# Altium PCB PCB1.PcbDoc
Units mm, origin at the board's own origin, x right, y up, seen from the top; angles counter-clockwise.
Board outline 60 x 100 mm, 2 copper layers (Top Layer, Bottom Layer); 46 components, 34 nets, 185 pads, 14 vias.
Unrouted connection lines stored in the file: 10.
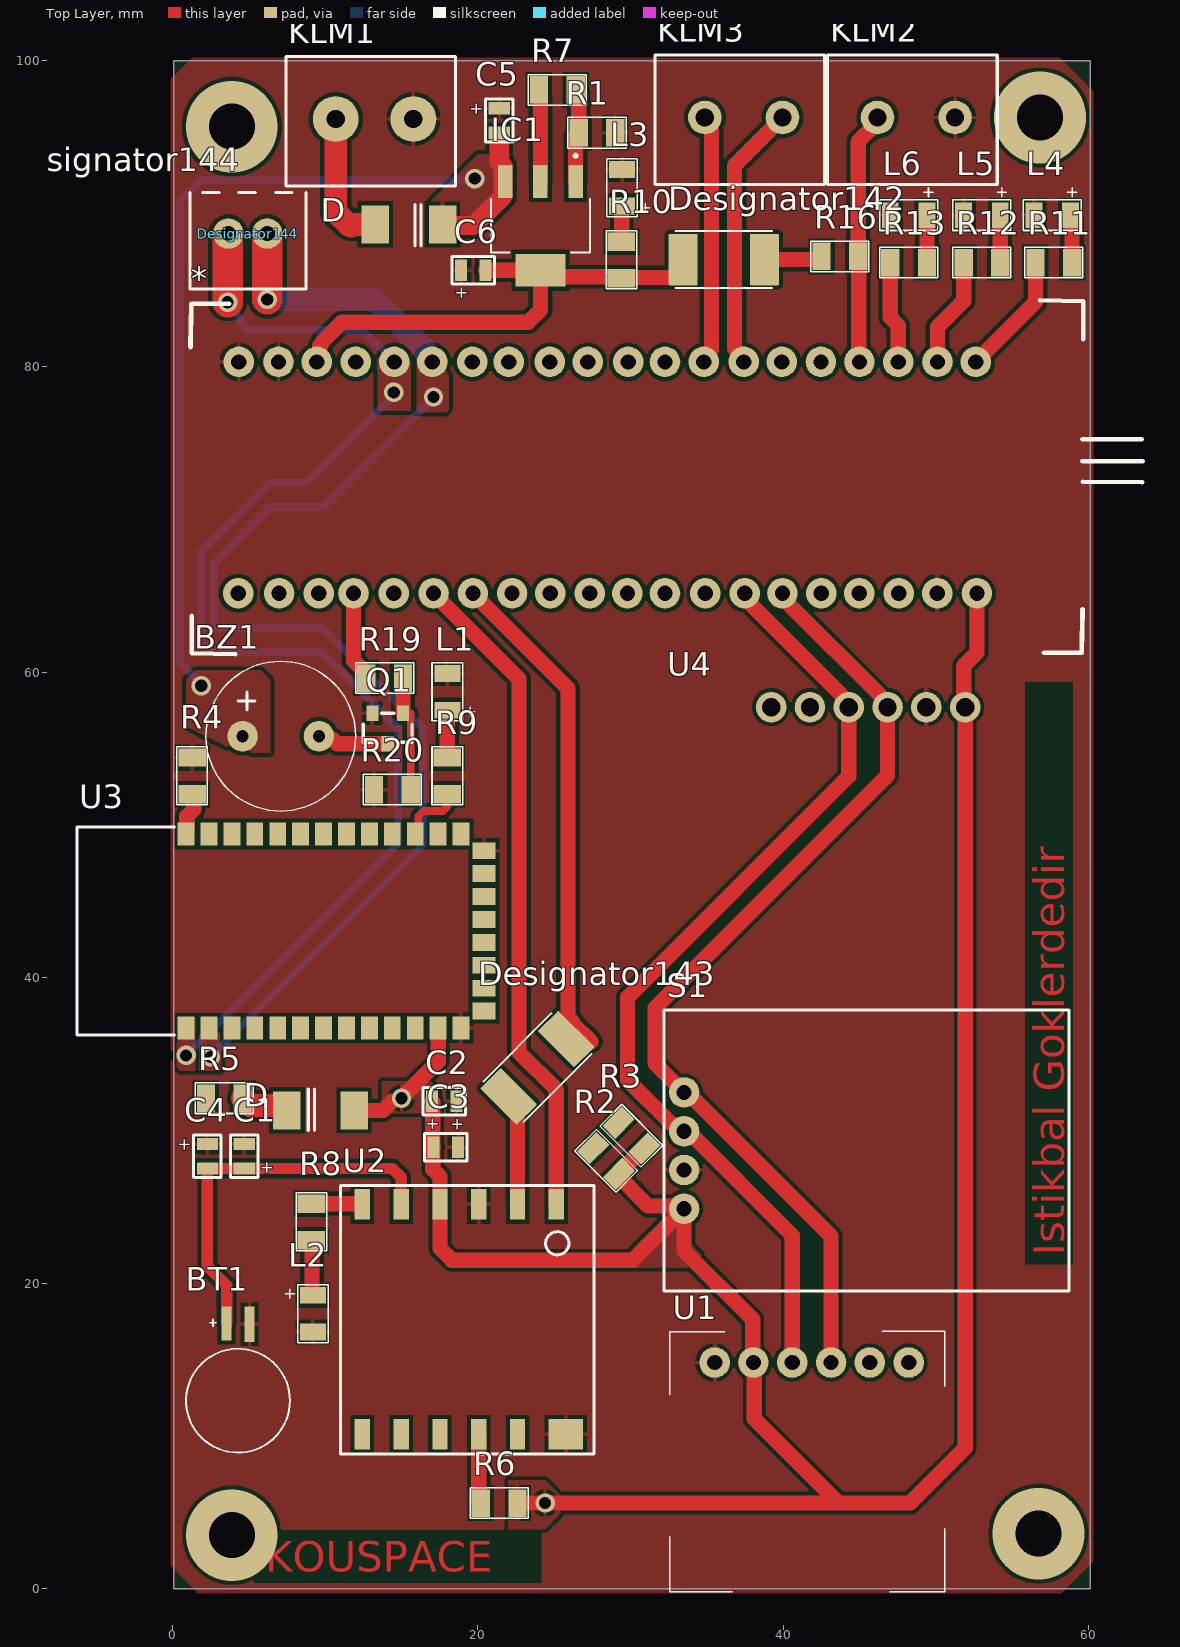
[diagram p0: Top Layer view]
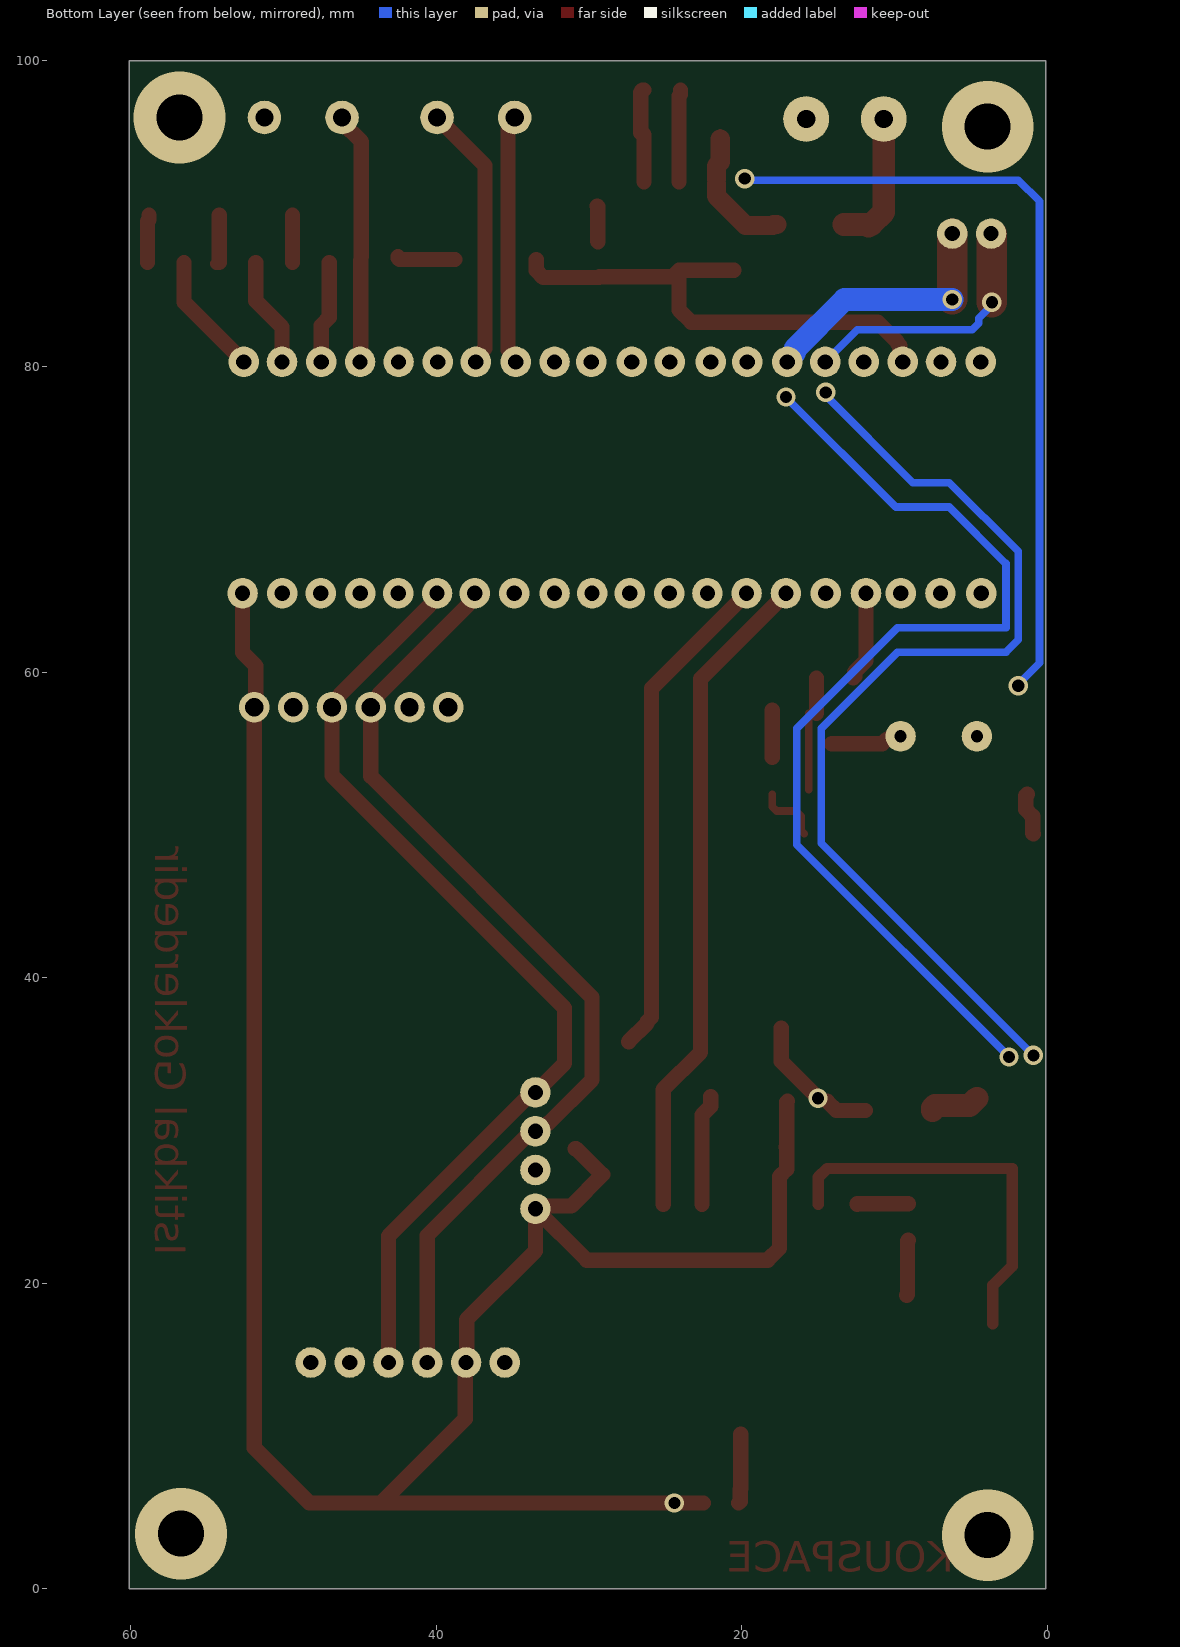
[diagram p1: Bottom Layer view, seen from below]
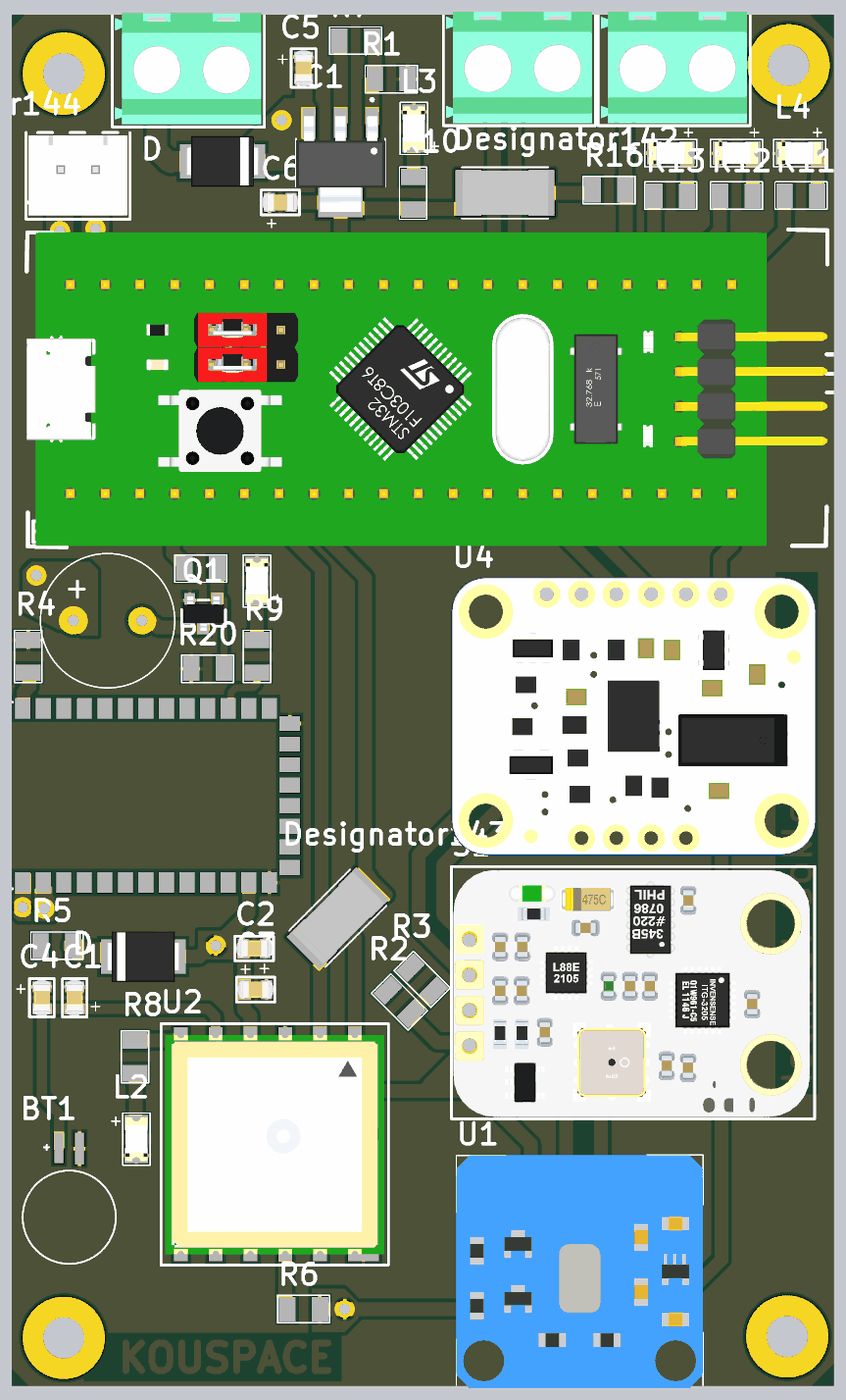
[diagram p2: 3D render of the assembled board from above, using the file's embedded part models]

## Layer stack, top to bottom
Top Solder: solder mask 0.0102, Solder Resist, Dk 3.5
Top Layer: signal copper 0.0356
Dielectric 1: dielectric 0.32, FR-4, Dk 4.8
Bottom Layer: signal copper 0.0356
Bottom Solder: solder mask 0.0102, Solder Resist, Dk 3.5

## Board outline
0.1,0 0.1,100 60.1,100 60.1,0

## Design rules (kind name [scope] priority, off if disabled: settings)
Clearance [All] p1: gap=0.254 ignorepadtopadclearanceinfootprint=FALSE
PolygonConnect [All] p1: connectstyle=Relief reliefconductorwidth=0.254 reliefentries=4 polygonreliefangle="90 Angle" airgapwidth=0.254
RoutingVias [All] p1: holewidth=0.711 width=1.27 viastyle="Through Hole" minholewidth=0.711 minwidth=1.27 maxholewidth=0.711 maxwidth=1.27
SolderMaskExpansion [All] p1: expansion=0.102 istentingtop=FALSE
Width [All] p1: maxlimit=2 minlimit=0.254 preferedwidth=0.254
30 further rules are at their usual default settings.

## Classes and differential pairs
component class Sheet5: * BZ1 KLM2 KLM3 L4 L5 L6 Q1 R11 R12 R13 R16 R19 R20 U4
component class Sheet2: BT1 C1 C2 C4 C5 C6 D D1 IC1 KLM1 L1 L3 R1 R2 R3 R4 R5 R6 R7 R8 R9 R10 S1 S2 U1 U2 U3

## Components (designator, comment, footprint, x,y, rotation, side; value= is the part's Value field where it differs from the comment)
* "BluePill" BLUEPILL 28.49,72.725 r0 top
BT1 "MS621FE-FL11E" BAT_MS621FE-FL11E 4.3,12.3 r90 top
BZ1 "Buzzer" CMI-9605IC 7.1,55.8 r90 top
C1 "CAP 100nF 0805" CAP_805 4.7,28.3 r90 top
C2 "CAP 100nF 0805" CAP_805 17.8,31.9 r0 top
C3 "CAP 10uF 0805" CAP_805 17.9,28.9 r180 top
C4 "CAP 4.7uF" CAP_805 2.3,28.3 r270 top
C5 "CAP 0.1uF" CAP_805 21.4,96.1 r270 top
C6 "CAP 1uF" CAP_805 19.7,86.3 r0 top
D "S3M Diyot" DO214AA 15.49,89.3 r0 top
D "S3M Diyot" DO214AA 9.7,31.3 r180 top
Designator142 "Comment" RESC6331X70N 36.1,87 r0 top
Designator143 "Comment" RESC6331X70N 23.9,34.1 r45 top
Designator144 "Comment" "2 PIN 2.54MM" 4.944,88.7 r180 top
IC1 "LM317DCYR" SOT230P700X180-4N 24.1,89.2 r270 top
KLM1 "2 Pin Klemens" "5.08mm-2 pin"#1 13.24,96.2 r0 top
KLM2 "2 Pin Klemens" "5.08mm-2 pin"#2 48.7,96.3 r0 top
KLM3 "2 Pin Klemens" "5.08mm-2 pin"#2 37.4,96.3 r0 top
L1 "Led Green" "Led 1206" 18,58.7 r90 top
L2 "Led Red" "Led 1206" 9.2,18 r270 top
L3 "Led Red" "Led 1206" 29.45,91.7 r90 top
L4 "Led Red" "Led 1206" 57.6,89.9 r180 top
L5 "Led Red" "Led 1206" 53,89.9 r180 top
L6 "Led Red" "Led 1206" 48.2,89.9 r180 top
Q1 "BC817-40-HT NPN" SOT-23 14.1,56.3 r180 top
R1 "RES 820R 1206" RES_1206 27.8,95.3 r0 top
R2 "RES 4.7K 1206" RES_1206 28.4,28 r315 top
R3 "RES 4.7K 1206" RES_1206 30.051,29.649 r315 top
R4 "RES 4.7K 1206" RES_1206 1.3,53.2 r270 top
R5 "RES 4.7K 1206" RES_1206 3.4,32.1 r180 top
R6 "RES 4.7K 1206" RES_1206 21.4,5.6 r180 top
R7 "RES 820R 1206" RES_1206 25.2,98.1 r180 top
R8 "RES 220R 1206" RES_1206 9.1,24 r270 top
R9 "RES 220R 1206" RES_1206 18,53.2 r90 top
R10 "RES 220R 1206" RES_1206 29.4,86.973 r270 top
R11 "RES 220R 1206" RES_1206 57.7,86.8 r180 top
R12 "RES 220R 1206" RES_1206 53,86.8 r180 top
R13 "RES 220R 1206" RES_1206 48.2,86.8 r180 top
R16 "PULL_UP" RES_1206 43.7,87.2 r180 top
R19 "150R" RES_1206 13.9,59.6 r180 top
R20 "RES 4.7K 1206" RES_1206 14.4,52.3 r0 top
S1 "SEN0140" SEN0140 33.5,28.67 r270 top
U1 "MPL3115A2-TH" MPL3115A2 41.85,14.8 r180 top
U2 "L80 GPS" L-80 19.1,17.6 r90 top
U3 "HC-06" HC-06 10.65,43.05 r90 top
U4 "BNO055" BNO055 46.9,48.5 r270 top

## Footprints (in the part's own frame and the unit in brackets; to place one, negate y for a bottom-side part, rotate by r counter-clockwise, add the part's x,y. Pads: shape width x height; smd on the part's side, far side on the other; paste and mask are expansions set on the pad)
"2 PIN 2.54MM" [mm]
  round 2 hole 1 mask+0.05: 1(-1.27,0) 2(1.27,0)
  silkscreen extent -3.79,-2.7 3.8,3.62, body extent -3.61,-2.49 3.61,3.35, height 7.21
"5.08mm-2 pin"#1 [mm]
  round 3 hole 1.2 mask+0.05: 1(-2.54,0) 2(2.54,0)
  silkscreen extent -5.8,-4.4 5.3,4.1, body extent -5.59,-4.2 5.07,3.9, height 10.2
"5.08mm-2 pin"#2 [mm]
  round 2.2 hole 1.2 mask+0.05: 1(-2.54,0) 2(2.54,0)
  silkscreen extent -5.8,-4.4 5.3,4.1, body extent -5.59,-4.2 5.07,3.9, height 10.2
BAT_MS621FE-FL11E [mm]
  rect 2.3x0.65 smd: NEG(5,-0.75)
  rect 2.2x0.65 smd: POS(5.05,0.75)
  silkscreen extent -3.4,-3.4 5.3,3.4
BLUEPILL [mm]
  round 2 hole 1: 1(24.1,7.575) 2(21.6,7.575) 3(19.03,7.575) 4(16.49,7.575) 7(-16.49,7.575) 10(13.97,7.575) 11(11.41,7.575) 12(8.91,7.575) 13(6.3,7.575) 14(3.76,7.575) 15(1.35,7.575) 16(-1.3,7.575) 17(-3.78,7.575) 18(-6.46,7.575) 19(-8.85,7.575) 21(-11.48,7.575) 22(-13.97,7.575) 23(-19.03,7.575) 23(24.18,-7.575) 24(-24.14,7.575) 24(-21.54,7.575) 24(21.59,-7.575) 25(-24.18,-7.575) 26(-21.5,-7.575) 27(-18.9,-7.575) 28(-16.63,-7.575) 29(-14,-7.575) 30(-11.39,-7.575) 31(-8.81,-7.575) 32(-6.25,-7.575) 33(-3.75,-7.575) 38(-1.16,-7.575) 39(1.3,-7.575) 40(3.76,-7.575) 41(6.4,-7.575) 42(8.98,-7.575) 43(11.45,-7.575) 45(13.99,-7.575) 46(16.48,-7.575) 47(19.06,-7.575)
  silkscreen extent -27.3,-11.57 35.03,11.6, body extent -27.28,-11.46 31.14,11.4, height 14
BNO055 [mm]
  round 2 hole 1.2: 2(-9.2,5) 3(-9.2,2.46) 4(-9.2,-0.08) 5(-9.2,-2.62) 6(-9.2,-5.16) 7(-9.2,-7.7)
  body extent -10.5,-14.73 9.82,11.94, height 4.15
CAP_805 [mm]
  rect 0.8x1.4 smd mask+0.05: 1(-0.8,0) 2(0.8,0)
  silkscreen extent -1.4,-0.9 1.4,0.9, body extent -1.3,-0.68 1.3,0.68, height 0.9
CMI-9605IC [mm]
  round 2 hole 0.8 mask+0.05: 1(0,2.5) 2(0,-2.5)
  silkscreen extent -4.9,-4.9 4.9,4.9, body extent -4.8,-4.8 4.8,5.9, height 5.2
DO214AA [mm]
  rect 1.8x2.5 smd mask+0.05: 1(-2.2,0) 2(2.2,0)
  silkscreen extent 0.4,-1.4 0.8,1.3, body extent -2.65,-1.85 2.65,1.85, height 2.3
HC-06 [mm]
  rect 1.5x1.1 smd mask+0.05: 1(-6.35,9.75) 2(-6.35,8.25) 3(-6.35,6.75) 4(-6.35,5.25) 5(-6.35,3.75) 6(-6.35,2.25) 7(-6.35,0.75) 8(-6.35,-0.75) 9(-6.35,-2.25) 10(-6.35,-3.75) 11(-6.35,-5.25) 12(-6.35,-6.75) 13(-6.35,-8.25) 22(6.35,-8.25) 23(6.35,-6.75) 24(6.35,-5.25) 25(6.35,-3.75) 26(6.35,-2.25) 27(6.35,-0.75) 28(6.35,0.75) 29(6.35,2.25) 30(6.35,3.75) 31(6.35,5.25) 32(6.35,6.75) 33(6.35,8.25) 34(6.35,9.75)
  rect 1.1x1.5 smd mask+0.05: 14(-5.25,-9.75) 15(-3.75,-9.75) 16(-2.25,-9.75) 17(-0.75,-9.75) 18(0.75,-9.75) 19(2.25,-9.75) 20(3.75,-9.75) 21(5.25,-9.75)
  silkscreen extent -6.8,10.5 6.8,16.9, body extent -6.5,-10 6.5,16.7, height 2.5
L-80 [mm]
  rect 2x1 smd mask+0.05: 1(7.55,-6.04) 2(7.55,-3.5) 3(7.55,-0.96) 4(7.55,1.58) 5(7.55,4.12) 6(7.55,6.66) 7(-7.5,6.66) 8(-7.5,4.12) 9(-7.5,1.58) 10(-7.5,-0.96) 11(-7.5,-3.5)
  rect 2x2.25 smd mask+0.05: 12(-7.5,-6.66)
  silkscreen extent -8.8,-8.5 8.8,8.1, body extent -8,-8.2 8,7.8, height 7.05
"Led 1206" [mm]
  rect 1.1x1.7 smd mask+0.05: 1(-1.2,0) 2(1.2,0)
  silkscreen extent -1.9,-1.8 1.9,1, body extent -1.59,-0.8 1.61,0.8, height 1.1
MPL3115A2 [mm]
  round 2 hole 1: 1(6.35,0) 2(3.81,0) 3(1.27,0) 4(-1.27,0) 5(-3.81,0) 6(-6.35,0)
  silkscreen extent -8.72,-2.03 9.3,15, body extent -8.7,-2.03 9.3,14.97, height 1.7
RES_1206 [mm]
  rect 1.2x1.8 smd mask+0.05: 1(-1.2,0) 2(1.2,0)
  silkscreen extent -1.9,-1 1.9,1, body extent -1.57,-0.82 1.57,0.82, height 0.53
RESC6331X70N [mm]
  rrect7% 1.9x3.37 smd: 1(-2.66,0) 2(2.66,0)
  silkscreen extent -3.15,-1.87 3.15,1.87, body extent -3.15,-1.6 3.2,1.6, height 0.58
SEN0140 [mm]
  round 2 hole 1 mask+0.05: 1(3.81,0) 2(1.27,0) 3(-1.27,0) 4(-3.81,0)
  silkscreen extent -9.2,-1.3 9.2,25.2, body extent -8.95,-1.15 9.05,24.85, height 3.6
SOT230P700X180-4N [mm]
  rect 2.15x0.95 smd: 1(-2.9,2.3) 2(-2.9,0) 3(-2.9,-2.3)
  rect 2.15x3.25 smd: 4(2.9,0)
  silkscreen extent -4.7,-3.25 1.75,3.25, body extent -3.4,-3.25 3.6,3.25, height 1.8
SOT-23 [mm]
  rect 0.8x1 smd mask+0.05: 1(-1,-1) 2(1,-1) 3(0,1)
  silkscreen extent -1.6,-1 1.6,0.9, body extent -1.5,-1.25 1.5,1.25, height 1.1

## Part data
BT1: "Coin, 6.8mm 3V Lithium Battery Rechargeable (Secondary) 5.5mAh", Package="QFP-128 Seiko", Availability="In Stock", Check_prices=https://www.snapeda.com/parts/MS621FE-FL11E/Seiko%20Instruments/view-part/6886595/?ref=eda, MF="Seiko Instruments", MP=MS621FE-FL11E, Price=None, Purchase-URL=https://pricing.snapeda.com/search/part/MS621FE-FL11E/?ref=eda, SnapEDA_Link=https://www.snapeda.com/parts/MS621FE-FL11E/Seiko%20Instruments/view-part/6886595/?ref=snap
BZ1: library part BUZZER, Designed by="Ahmet Azboy"
C1 C2 C3 C6: "0805 smd"
C4: library part "CAP 2.2uF", "0805 smd"
C5: library part "CAP 1uF", "0805 smd"
D D: Case/Package=DO214AA, Current=3A, Voltage=1000V
KLM1 KLM2 KLM3: "5.08mm 2 pin klemens"
Q1: Case/Package=SOT-23, Current="500 mA", Voltage=45V
R16 R19: library part "RES 4.7K 1206"
S1: "10 DOF IMU"
U2: Designed by="Ahmet Azboy", Name="Quetcel L80"

## Via types
v1: diameter 1.27, hole 0.8, Top Layer to Bottom Layer, 10 vias
v2: diameter 6, hole 3, Top Layer to Bottom Layer, 4 vias

## Nets (pads, with @x,y where several pads share a name; then routed paths per layer and width w, separated by ;. In a path a pad name is that pad's centre, name@x,y a point inside that pad or via, vN(x,y) a via of type N, cw(c..) or ccw(c..) an arc to the next point about the centre after c; other vN are vias at no path point)
+3V3: *.23 C2.1 C3.2 C6.2 D.1@11.9,31.3 Designator142.1 Designator142.2 IC1.2 IC1.4 R2.2 R3.2 R6.1 R7.2 R10.2 R16.2 S1.1 U1.2 U2.4 U3.12 U4.2 | length 197.6
  Top Layer w1: *.23@9.46,80.3 9.651,80.491 9.651,81.351 9.8,81.5 9.8,81.6 11.1,82.9 23.3,82.9 24.1,83.7 IC1.4 ; D.1@11.9,31.3 13.8,31.3 v1@14.4,31.9 ; v1(15,32.1) 17.4,34.5 U3.12 ; C2.1 17.05,31.85 17.05,28.95 C3.2 ; C3.2@17.05,28.9 17.05,27.45 17.52,26.98 U2.4 17.52,22.28 18.3,21.5 30.14,21.5 S1.1 ; C6.2 IC1.4 ; R6.1@22.5,5.6 R6.1 v1(24.4,5.6) 43.6,5.6 ; R7.2 24,97.8 24.1,97.7 IC1.2 ; R3.2 30.85,28.8 29.15,27.1 29.1,27.1 31.149,25.051 33.309,25.051 S1.1 ; Designator142.1 33.44,86.277 32.99,85.827 29.346,85.827 29.3,85.873 24.527,85.873 IC1.4 ; Designator142.2 42.4,87 42.5,87.1 R16.2 ; *.23@52.67,65.15 52.67,61.27 51.8,60.4 51.8,57.8 U4.2 51.9,9.2 48.3,5.6 43.6,5.6 ; S1.1 33.5,22.1 38,17.6 38,14.84 U1.2 38.1,14.74 38.1,11.1 43.6,5.6
+12V: BZ1.1 C5.2 D.2@17.69,89.3 IC1.3 | length 60.9
  Top Layer w0.5: C5.2@21.4,94.9 C5.2
  Top Layer w1.25: D.2@17.69,89.3 17.898,89.3 17.965,89.233 19.733,89.233 21.65,91.15 IC1.3@21.65,91.95 ; C5.2@21.4,94.9 21.4,93.378 21.65,93.128 IC1.3@21.65,92.25
  Bottom Layer w0.5: v1(1.9,59.1) 1.9,59.2 0.5,60.6 0.5,90.803 1.893,92.196 19.696,92.196 v1(19.8,92.3)
+12V_D: D.1@13.29,89.3 KLM1.1 | length 9.1
  Top Layer w1.5: KLM1.1 10.7,90.1 11.5,89.3 11.6,89.3 11.7,89.2 cw(c11.8,89.2) 11.8,89.3 D.1@13.29,89.3
BATTERY: *.11
Buzzer: *.28 R19.2 | length 5.9
  Top Layer w1: *.28 11.86,60.74 12.6,60 12.6,59.7 R19.2
CNTRL_RX: *.13 KLM3.1 | length 16.4
  Top Layer w1: *.13 34.79,80.571 35.3,81.081 35.3,95.535 34.86,95.975 KLM3.1
CNTRL_TX: *.12 KLM3.2 | length 17.5
  Top Layer w1: *.12 37.4,80.571 36.8,81.171 36.8,93.16 KLM3.2
FREE_FALL: *.4 KLM2.1 R16.1 | length 16.3
  Top Layer w1: R16.1 44.9,94.715 46.16,95.975 KLM2.1 ; R16.1@44.94,86.96 44.94,80.34 *.4
GND: *.24 BT1.NEG C1.2 C2.2 C3.1 C4.1 C5.1 C6.1 KLM1.2 KLM2.2 L1.2 L2.2 L3.2 L4.2 L5.2 L6.2 Q1.2 R1.2 R4.1 R20.1 S1.2 U1.1 U2.3 U2.12 U3.13 U3.21 U4.3
GPS_RX: *.31 Designator143.1 Designator143.2 U2.2 | length 39.9
  Top Layer w1: *.31 25.9,58.93 25.9,37.4 26.2,37.1 26.2,37 27.4,35.8 ; Designator143.1 22.019,31.583 22.6,31.002 U2.2
GPS_TX: *.30 U2.1 | length 43.3
  Top Layer w1: *.30 22.7,59.55 22.7,35.1 25.14,32.66 U2.1
L_B: R9.1 U3.24 | length 4.2
  Top Layer w0.5: U3.24 16.104,49.604 16.104,50.557 16.446,50.9 17.707,50.9 18,51.193 R9.1
"LED CNTRL": *.2 *.18 R12.2 | length 7.2
  Top Layer w1: *.2 50.09,82.59 51.8,84.3 R12.2
"LED PWR": *.1 *.19 R11.2 | length 8.1
  Top Layer w1: *.1 56.5,84.21 R11.2
"LED REG": 
Led_Gps: R8.1 U2.6 | length 3.4
  Top Layer w1: R8.1 12.44,25.2 U2.6
LEDSİGN: *.3 *.17 R13.2 | length 6.7
  Top Layer w1: R13.2 47,86.4 47,83.2 47.52,82.68 *.3
NetBT1_POS: BT1.POS C1.1 C4.2 R5.2 U2.5 | length 25.4
  Top Layer w0.75: BT1.POS 3.55,19.85 2.3,21.1 C4.2 C1.1 14.4,27.5 14.98,26.92 U2.5
NetBZ1_2: BZ1.2 Q1.3 | length 4.7
  Top Layer w1: BZ1.2 9.791,55.609 10.491,55.609 10.8,55.3 Q1.3
NetD_2: D.2@7.5,31.3 R5.1 | length 3.3
  Top Layer w1.5: R5.1 5.089,31.611 7.35,31.611 7.5,31.461 D.2@7.5,31.3
NetL1_1: L1.1 R9.2 | length 3.1
  Top Layer w1: R9.2 L1.1
NetL2_1: L2.1 R8.2 | length 3.6
  Top Layer w1: R8.2 9.15,22.75 9.15,19.25 L2.1
NetL3_1: L3.1 R10.1 | length 2.3
  Top Layer w1: R10.1 29.425,88.198 29.425,90.475 L3.1
NetL4_1: L4.1 R11.1 | length 3.1
  Top Layer w1: L4.1 58.8,89.6 58.9,89.5 R11.1
NetL5_1: L5.1 R12.1 | length 3.1
  Top Layer w0.75: R12.1@54.4,86.7 R12.1@54.425,86.725
  Top Layer w1: R12.1 L5.1
NetL6_1: L6.1 R13.1 | length 3.1
  Top Layer w1: R13.1 L6.1
NetQ1_1: Q1.1 R19.1 R20.2 | length 7.3
  Top Layer w0.5: R20.2 15.6,57.3
  Top Layer w1: Q1.1 R19.1
NetR1_1: IC1.1 R1.1 R7.1 | length 6.2
  Top Layer w1: IC1.1 26.4,95.1 cw(c26.6,95.1) R1.1 26.6,97.9 ccw(c26.4,97.9) R7.1
NetR4_2: R4.2 U3.34 | length 2.8
  Top Layer w1: U3.34 0.95,49.45 0.95,50.55 1.4,51 1.4,51.9 R4.2
NetR6_2: R6.2 U2.10 | length 4.6
  Top Layer w1: U2.10 20.06,6.533 20.1,6.493 20.1,5.7 R6.2
RX_BTH: *.22 Designator144.2 U3.1 | length 82.7
  Top Layer w0.5: *.22@14.46,80.24 *.22
  Top Layer w1.5: Designator144.2@3.617,88.643 Designator144.2
  Top Layer w2: v1(3.617,84.211) Designator144.2@3.617,88.643
  Bottom Layer w0.5: v1(0.9,34.9) 0.9,34.905 2.03,36.035 2.035,36.035 14.8,48.8 14.8,56.3 9.8,61.3 2.7,61.3 1.9,62.1 1.9,67.9 6.4,72.4 8.8,72.4 14.5,78.1 v1(14.5,78.3) ; v1(3.617,84.211) 3.617,84.003 4.471,83.148 4.471,82.829 4.9,82.4 12.42,82.4 *.22
SCL: *.42 R2.1 S1.3 U1.3 U4.5 | length 64
  Top Layer w1: *.42 37.47,64.879 37.97,64.379 37.97,64.33 43.78,58.52 43.78,58.471 44.28,57.971 44.28,53.18 29.8,38.7 29.8,33.3 32.66,30.44 32.729,30.44 33.229,29.94 33.76,29.94 40.58,23.12 U1.3
SDA: *.43 R3.1 S1.4 U1.4 U4.4 | length 64.4
  Top Layer w1: *.43 39.94,64.879 40.44,64.379 40.44,64.36 46.32,58.48 46.32,58.471 46.82,57.971 46.82,53.22 31.6,38 31.6,34.38 S1.4 33.72,32.48 43.12,23.08 U1.4
TX_BTH: *.21 Designator144.1 U3.2 | length 83.8
  Top Layer w2: v1(6.214,84.386) Designator144.1
  Bottom Layer w0.5: v1(2.5,34.8) 16.4,48.7 16.4,56.3 9.8,62.9 2.7,62.9 2.7,67.1 6.4,70.8 9.9,70.8 v1(17.1,78)
  Bottom Layer w1.5: v1(6.214,84.386) 13.268,84.386 16.524,81.13 16.524,80.921 17.01,80.435 *.21
pads on no net: *.7 *.10 *.14 *.15 *.16 *.25 *.26 *.27 *.29 *.32 *.33 *.38 *.39 *.40 *.41 *.45 *.46 *.47 U1.5 U1.6 U2.7 U2.8 U2.9 U2.11 U3.3 U3.4 U3.5 U3.6 U3.7 U3.8 U3.9 U3.10 U3.11 U3.14 U3.15 U3.16 U3.17 U3.18 U3.19 U3.20 U3.22 U3.23 U3.25 U3.26 U3.27 U3.28 U3.29 U3.30 U3.31 U3.32 U3.33 U4.6 U4.7
copper on no net:
  other v2: 3.9,3.5 56.7,3.6 3.9,95.7 56.8,96.3

## Polygon pours and split planes (outlines as drawn)
GND on Top Layer "GND_L01_P011" (solid, remove dead copper, pour order 11): 58.1,100.2 60.3,98 60.3,1.8 58.2,-0.3 1.6,-0.3 1.6,-0.2 -0.1,1.5 -0.1,98.8 1.3,100.2
TX_BTH on Top Layer "TX_BTH_L01_P009" (solid, pour order 9): 2,37 2,36.6 1.9,36.4 1.7,36.1 1.7,33.9 3.3,33.9 3.2,34 3.2,36.4 3,36.4 2.4,37 2.2,36.8
RX_BTH on Top Layer "RX_BTH_L01_P013" (solid, pour order 13): 13.4,77 13.5,77.1 15.6,77.1 15.6,80.3 14.8,81.1 14.023,81.1 13.4,80.477 13.4,77.1
+3V3 on Top Layer "+3V3_L01_P000" (solid, pour order 0): 14.3,31.1 13.6,31.8 13.7,31.9 13.7,33.2 16.9,33.2 17.5,32.6 17.5,31.1
+3V3 on Top Layer "+3V3_L01_P001" (solid, pour order 1): 22,7.1 24.4,7.1 25.4,6.1 25.4,4.9 24.4,3.9 22,3.9 22,5.5
+3V3 on Top Layer "+3V3_L01_P002" (solid, pour order 2): 30.2,22.3 30.2,21 33.7,21 34.4,21.7 34.6,21.7 34.6,21.9 33.9,22.6 33.9,24.4 34.4,24.9 33.6,25.7
+12V on Top Layer "+12V_L01_P003" (solid, pour order 3): 4.4,54.7 2.173,55.973 0.9,56.7 0.9,59.5 1.5,60.1 5.8,60.1 6.4,59.5 6.4,54.7 4.4,54.7 0.9,56.45 0.9,56.7
TX_BTH on Top Layer "TX_BTH_L01_P006" (solid, pour order 6): 16.6,81.2 16,80.6 16,77 17.9,77 18.1,77.2 18.1,80.6 17.7,80.6 17,81.3 16.3,80.6 16,80.6
RX_BTH on Top Layer "RX_BTH_L01_P007" (solid, pour order 7): 0.3,37.4 0.3,34.1 0.5,33.9 1.5,33.9 1.5,37.4
+12V on Top Layer "+12V_L01_P010" (solid, pour order 10): 16.8,90.5 16.7,90.4 16.7,89.5 19.8,89.5 22.4,92.1 22.4,93.2 21.7,93.9 20,93.9 16.6,90.5 16.7,90.4 16.7,89.6

## Other copper
Top Layer:
  pour cut-out: 3.096,33.937 3.133,33.9 3.19,33.957 3.19,35.686 3.2,35.696 3.096,35.696
  pour cut-out: 1.8,36.25 1.9,36.35 1.9,34.02 1.78,33.9 1.775,33.905 1.755,33.905 1.755,36.184 1.759,36.188 1.747,36.2 1.5,36.2 1.5,33.926 1.48,33.905 1.755,33.905
  text "Istikbal Goklerdedir" at 58.4,21.8 h2 r90
  text "KOUSPACE" at 6.1,1.1 h2

## Silkscreen, mask and mechanical layers (free items; w line width, h text height)
Mechanical 1:
  lines w0.75: 0.1,0.254 0.354,0 59.846,0 60.1,0.254 60.1,99.746 59.846,100 0.354,100 0.1,99.746 0.1,0.254

## Text inside footprints (layer, text, board x,y; h text height)
C1: Top Overlay "+" at 6.533,27.1 h0.8 r90
C2: Top Overlay "+" at 16.6,30.067 h0.8
C3: Top Overlay "+" at 19.1,30.733 h0.8 r180
C4: Top Overlay "+" at 0.467,29.5 h0.8 r270
C5: Top Overlay "+" at 19.567,97.3 h0.8 r270
C6: Top Overlay "+" at 18.5,84.467 h0.8